# KiCad board motordecoder2-K3057.kicad_pcb (continued)
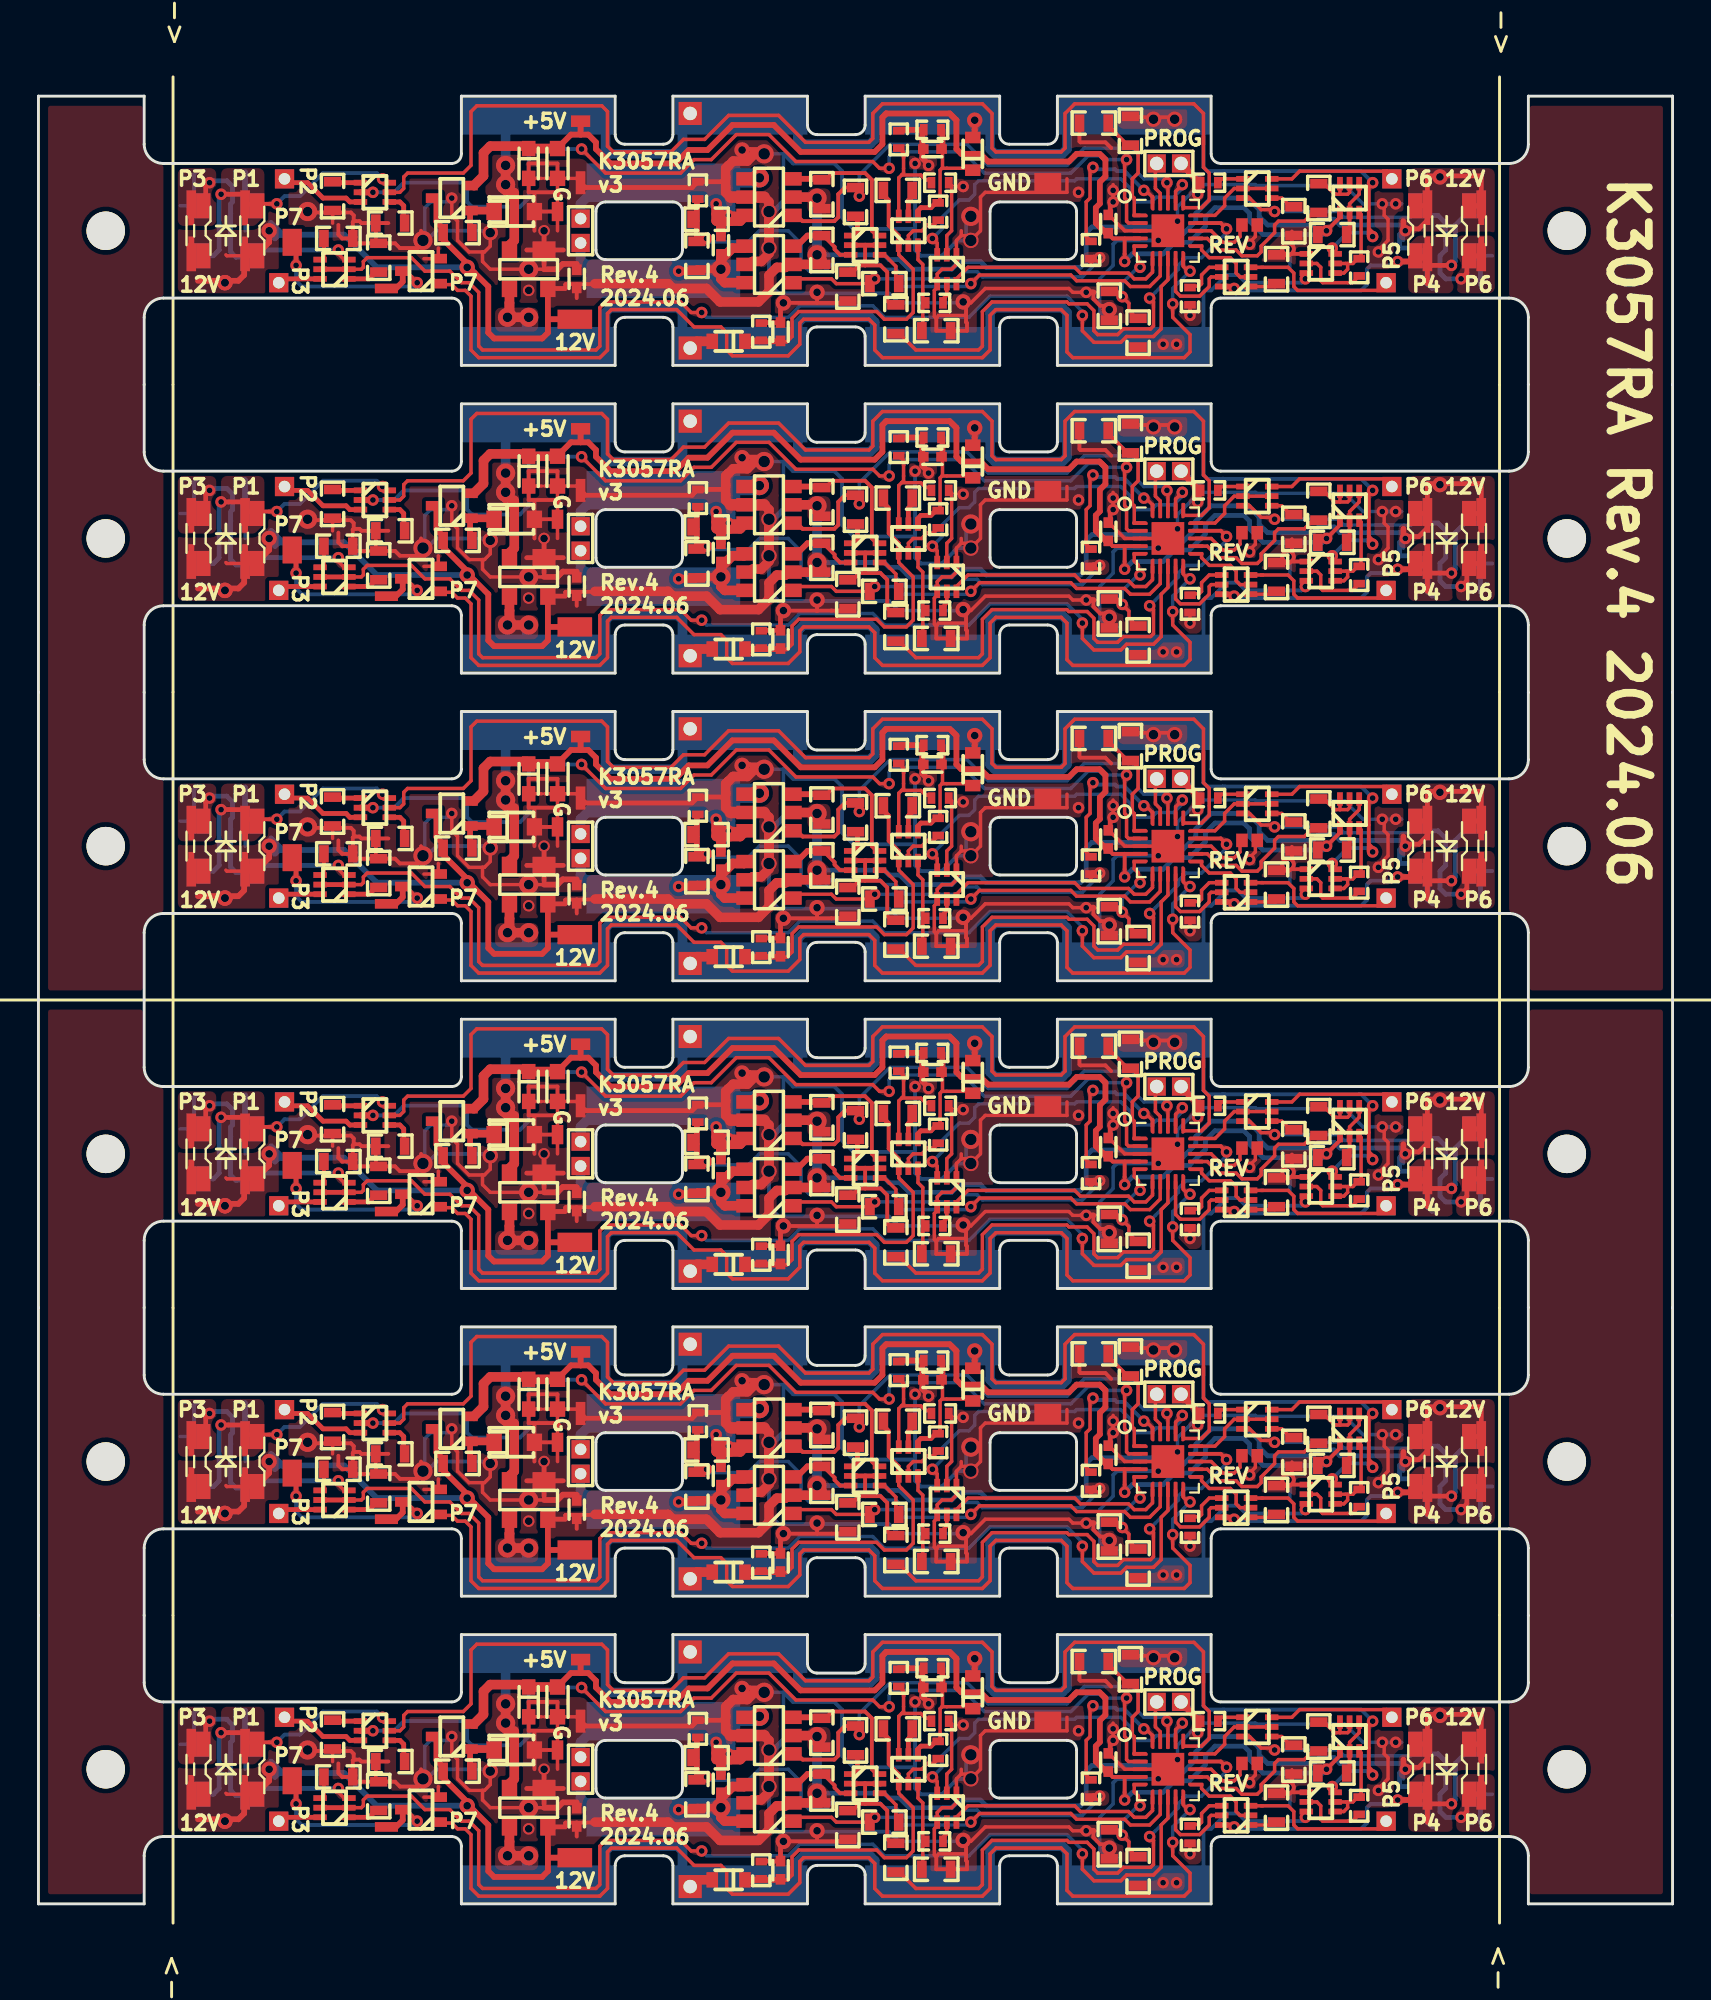
[diagram p0: board, top side]
## Routing (per net, layer and track width the routed paths; a pad name or vN(x,y) marks a point on that pad's centre or on a via; arc(x,y) is an arc through that point) (continued)
Net-(Q13A-S): length 10.2
  Top w0.18: 17.55,52.85 R90.1 ; 17.55,84.85 R24.1 ; 17.55,36.85 R124.1 ; 17.55,4.85 R192.1 ; 17.55,20.85 R158.1 ; 17.55,68.85 R56.1
  Top w0.25: 17.55,36.85 17.2,36.5 Q48.1 ; Q20.1 17.2,68.5 17.55,68.85 ; 17.55,52.85 17.2,52.5 Q35.1 ; 17.55,4.85 17.2,4.5 Q74.1 ; 17.55,20.85 17.2,20.5 Q61.1 ; Q13.1 17.2,84.5 17.55,84.85
Net-(Q13B-S): length 6.6
  Top w0.2: 14.85,37.5 R127.1 ; 14.85,5.5 R195.1 ; 14.85,53.5 R93.1 ; 14.85,69.5 R59.1 ; 14.85,85.5 R27.1 ; 14.85,21.5 R161.1
Net-(Q14A-S): length 8.3
  Top w0.18: Q14.1 61.55,89.7 R25.1 ; Q62.1 61.55,25.7 R159.1 ; Q23.1 61.55,73.7 R57.1 ; Q49.1 61.55,41.7 R125.1 ; Q36.1 61.55,57.7 R91.1 ; R193.1 61.55,9.7 Q75.1
Net-(Q14B-S): length 8
  Top w0.18: R28.1 65.12,88.25 64.68,88.7 Q14.4 ; R60.1 65.12,72.25 64.68,72.7 Q23.4 ; Q49.4 64.68,40.7 65.12,40.25 R128.1 ; Q36.4 64.68,56.7 65.12,56.25 R94.1 ; R162.1 65.12,24.25 64.68,24.7 Q62.4 ; R196.1 65.12,8.25 64.68,8.7 Q75.4
Net-(Q21A-B1): length 13.8
  Top w0.18: 46.75,39.47 46.57,39.3 46.25,39.3 45.95,39 45.5,39 45.25,38.75 Q51.2 ; Q64.2 45.25,22.75 45.5,23 45.95,23 46.25,23.3 46.57,23.3 46.75,23.47 ; 46.75,7.47 46.57,7.3 46.25,7.3 45.95,7 45.5,7 45.25,6.75 Q77.2 ; 46.75,87.47 46.57,87.3 46.25,87.3 45.95,87 45.5,87 45.25,86.75 Q21.2 ; 46.75,55.47 46.57,55.3 46.25,55.3 45.95,55 45.5,55 45.25,54.75 Q38.2 ; 46.75,71.47 46.57,71.3 46.25,71.3 45.95,71 45.5,71 45.25,70.75 Q25.2
Net-(Q21A-C1): length 34.2
  Top w0.18: 44.9,73.9 45,74 45,74.8 ; 44.9,73.9 45.9,73.9 46.15,73.65 46.3,73.65 R64.2 ; 44.9,73.9 44.75,73.75 Q25.6 ; 45,26.8 45,27 ; 45,26.8 45,26 44.9,25.9 ; 45,26.8 45,27.05 R165.1 ; 44.78,11.22 44.75,11.22 ; 45,58.8 45,59.05 R97.1 ; 45,58.8 45,58 44.9,57.9 ; 45,58.8 45,59 ; 44.78,91.22 44.75,91.22 ; R98.2 46.3,57.65 46.15,57.65 45.9,57.9 44.9,57.9 ; Q51.6 44.75,41.75 44.9,41.9 ; 45,10.8 45,10 44.9,9.9 ; 45,10.8 45,11.05 R199.1 ; 45,10.8 45,11 ; 44.9,89.9 45,90 45,90.8 ; 44.9,89.9 45.9,89.9 46.15,89.65 46.3,89.65 R34.2 ; 44.9,89.9 44.75,89.75 Q21.6 ; 44.9,25.9 45.9,25.9 46.15,25.65 46.3,25.65 R166.2 ; 44.9,25.9 44.75,25.75 Q64.6 ; 45,42.8 45,43.05 R131.1 ; 45,42.8 45,43 ; 45,42.8 45,42 44.9,41.9 ; 45,90.8 45,91 ; 45,90.8 45,91.05 R33.1 ; 44.78,43.22 44.75,43.22 ; Q77.6 44.75,9.75 44.9,9.9 ; 44.78,27.22 44.75,27.22 ; 44.9,9.9 45.9,9.9 46.15,9.65 46.3,9.65 R200.2 ; 44.78,75.22 44.75,75.22 ; 44.9,41.9 45.9,41.9 46.15,41.65 46.3,41.65 R132.2 ; 45,74.8 45,75.05 R63.1 ; 45,74.8 45,75 ; Q38.6 44.75,57.75 44.9,57.9 ; 44.78,59.22 44.75,59.22
Net-(Q21B-B2): length 8.6
  Top w0.18: R99.1 45.45,56.78 ; R35.1 45.45,88.78 ; R167.1 45.45,24.78 ; R133.1 45.45,40.78 ; R65.1 45.45,72.78 ; R201.1 45.45,8.78
  Top w0.25: Q21.5 45.25,88.58 45.45,88.78 ; 45.45,72.78 45.25,72.58 Q25.5 ; Q64.5 45.25,24.58 45.45,24.78 ; 45.45,40.78 45.25,40.58 Q51.5 ; Q77.5 45.25,8.58 45.45,8.78 ; Q38.5 45.25,56.58 45.45,56.78
Net-(Q21B-C2): length 26.3
  Top w0.18: 45.75,38.5 45.75,37.5 46,37.25 46,34.22 ; 46,66.22 46,69.25 45.75,69.5 45.75,70.5 ; 45.75,22.5 45.75,21.5 46,21.25 46,18.22 ; 46,2.22 46,5.25 45.75,5.5 45.75,6.5 ; 46,82.22 46,85.25 45.75,85.5 45.75,86.5 ; 46,50.22 46,53.25 45.75,53.5 45.75,54.5
Net-(Q22A-G): length 23.5
  Top w0.18: R64.1 47.5,73.35 47.5,71 47.25,70.75 Q26.2 ; R34.1 47.5,89.35 47.5,87 47.25,86.75 Q22.2 ; Q78.2 47.25,6.75 47.5,7 47.5,9.35 R200.1 ; Q52.2 47.25,38.75 47.5,39 47.5,41.35 R132.1 ; Q65.2 47.25,22.75 47.5,23 47.5,25.35 R166.1 ; Q39.2 47.25,54.75 47.5,55 47.5,57.35 R98.1
Net-(Q22B-G): length 6.5
  Top w0.2: Q22.5 47.25,83.65 47.05,83.45 R38.1 ; R68.1 47.05,67.45 47.25,67.65 Q26.5 ; Q78.5 47.25,3.65 47.05,3.45 R204.1 ; Q52.5 47.25,35.65 47.05,35.45 R136.1 ; Q65.5 47.25,19.65 47.05,19.45 R170.1 ; Q39.5 47.25,51.65 47.05,51.45 R102.1
Net-(R10-Pad1): length 165.8
  Top w0.2: 34.35,38.6 34.25,38.5 34.25,39.22 ; 34.35,54.6 34.25,54.5 34.25,55.22 ; 34.35,86.6 34.25,86.5 34.25,87.22 ; 34.35,22.6 34.25,22.5 34.25,23.22 ; 34.25,7.22 34.25,6.5 34.35,6.6 ; 34.25,71.22 34.25,70.5 34.35,70.6
  Top w0.25: 34.25,54.75 34.4,54.6 v1(34.75,54.6) ; 34.25,38.75 34.4,38.6 v1(34.75,38.6) ; 34.25,22.75 34.4,22.6 v1(34.75,22.6) ; 34.25,86.75 34.4,86.6 v1(34.75,86.6) ; v1(34.75,6.6) 34.4,6.6 34.25,6.75 ; v1(34.75,70.6) 34.4,70.6 34.25,70.75
  Top w0.3: 34.25,70.42 34.25,71.47 ; v1(55.2,21.6) 54.88,21.6 54.75,21.47 ; 54.75,5.47 54.88,5.6 v1(55.2,5.6) ; 34.25,54.42 34.25,55.47 ; 34.25,38.42 34.25,39.47 ; 54.75,69.47 54.88,69.6 v1(55.2,69.6) ; 34.25,86.42 34.25,87.47 ; 54.75,37.47 54.88,37.6 v1(55.2,37.6) ; 34.25,24.47 34.25,23.53 ; 34.25,22.42 34.25,23.47 ; 34.25,40.47 34.25,39.53 ; 54.75,53.47 54.88,53.6 v1(55.2,53.6) ; 34.25,56.47 34.25,55.53 ; 34.25,8.47 34.25,7.53 ; v1(55.2,85.6) 54.88,85.6 54.75,85.47 ; 34.25,72.47 34.25,71.53 ; 34.25,88.47 34.25,87.53 ; 34.25,6.42 34.25,7.47
  Top w0.4: 54.78,69.5 54.75,69.47 ; 54.78,21.5 54.75,21.47 ; 54.78,37.5 54.75,37.47 ; 54.78,53.5 54.75,53.47 ; 54.78,85.5 54.75,85.47 ; 54.78,5.5 54.75,5.47
  Bottom w0.18: v1(34.75,86.6) 34.92,86.42 ; 34.92,86.42 36.92,86.42 37.5,87 39,87 39.67,86.33 39.67,85.33 40.1,84.9 40.9,84.9 41.25,85.25 43.75,85.25 44,85 44.6,85 45.1,84.5 47.75,84.5 48.12,84.88 48.82,84.88 49.1,84.6 54.3,84.6 55.2,85.5 v1(55.2,85.6) ; 34.92,86.42 34.67,86.42 ; v1(55.2,53.6) 55.2,53.5 54.3,52.6 49.1,52.6 48.82,52.88 48.12,52.88 47.75,52.5 45.1,52.5 44.6,53 44,53 43.75,53.25 41.25,53.25 40.9,52.9 40.1,52.9 39.67,53.33 39.67,54.33 39,55 37.5,55 36.92,54.42 34.92,54.42 ; 34.92,6.42 34.67,6.42 ; 34.92,6.42 36.92,6.42 37.5,7 39,7 39.67,6.33 39.67,5.33 40.1,4.9 40.9,4.9 41.25,5.25 43.75,5.25 44,5 44.6,5 45.1,4.5 47.75,4.5 48.12,4.88 48.82,4.88 49.1,4.6 54.3,4.6 55.2,5.5 v1(55.2,5.6) ; 34.92,6.42 v1(34.75,6.6) ; v1(55.2,21.6) 55.2,21.5 54.3,20.6 49.1,20.6 48.82,20.88 48.12,20.88 47.75,20.5 45.1,20.5 44.6,21 44,21 43.75,21.25 41.25,21.25 40.9,20.9 40.1,20.9 39.67,21.33 39.67,22.33 39,23 37.5,23 36.92,22.42 34.92,22.42 ; 34.92,22.42 34.67,22.42 ; 34.92,22.42 v1(34.75,22.6) ; v1(34.75,70.6) 34.92,70.42 ; 34.92,70.42 36.92,70.42 37.5,71 39,71 39.67,70.33 39.67,69.33 40.1,68.9 40.9,68.9 41.25,69.25 43.75,69.25 44,69 44.6,69 45.1,68.5 47.75,68.5 48.12,68.88 48.82,68.88 49.1,68.6 54.3,68.6 55.2,69.5 v1(55.2,69.6) ; 34.92,70.42 34.67,70.42 ; v1(34.75,54.6) 34.92,54.42 ; 34.92,54.42 34.67,54.42 ; 34.92,38.42 36.92,38.42 37.5,39 39,39 39.67,38.33 39.67,37.33 40.1,36.9 40.9,36.9 41.25,37.25 43.75,37.25 44,37 44.6,37 45.1,36.5 47.75,36.5 48.12,36.88 48.82,36.88 49.1,36.6 54.3,36.6 55.2,37.5 v1(55.2,37.6) ; 34.92,38.42 34.67,38.42 ; 34.92,38.42 v1(34.75,38.6)
Net-(U2-PA2): length 38
  Top w0.18: 56.5,59.47 56.68,59.3 57,59.3 57.2,59.1 57.2,58 56.9,57.7 56.9,56.8 57,56.7 57,55.8 U4.1 ; 56.5,75.47 56.68,75.3 57,75.3 57.2,75.1 57.2,74 56.9,73.7 56.9,72.8 57,72.7 57,71.8 U3.1 ; 56.5,27.47 56.68,27.3 57,27.3 57.2,27.1 57.2,26 56.9,25.7 56.9,24.8 57,24.7 57,23.8 U6.1 ; 56.5,43.47 56.68,43.3 57,43.3 57.2,43.1 57.2,42 56.9,41.7 56.9,40.8 57,40.7 57,39.8 U5.1 ; U7.1 57,7.8 57,8.7 56.9,8.8 56.9,9.7 57.2,10 57.2,11.1 57,11.3 56.68,11.3 56.5,11.47 ; U2.1 57,87.8 57,88.7 56.9,88.8 56.9,89.7 57.2,90 57.2,91.1 57,91.3 56.68,91.3 56.5,91.47
  Top w0.2: R137.2 56.65,27.45 55.65,28.45 R153.1 ; R119.1 55.65,44.45 56.65,43.45 R103.2 ; R1.2 56.65,91.45 55.65,92.45 R17.1 ; R51.1 55.65,76.45 56.65,75.45 R19.2 ; R69.2 56.65,59.45 55.65,60.45 R85.1 ; R187.1 55.65,12.45 56.65,11.45 R171.2
Net-(U2-PA4): length 33.8
  Top w0.18: 57.2,2.55 57.03,2.55 56.72,2.85 56.72,3.22 v1(56.37,3.57) ; v1(57.3,37.1) 57.3,37.2 57.2,37.3 57.2,37.62 57,37.82 57,38.2 ; 57,6.2 57,5.82 57.2,5.62 57.2,5.3 57.3,5.2 v1(57.3,5.1) ; 57.2,5.4 57.4,5.2 ; v1(56.37,67.57) 56.72,67.22 56.72,66.85 57.03,66.55 57.2,66.55 ; v1(57.3,21.1) 57.3,21.2 57.2,21.3 57.2,21.62 57,21.82 57,22.2 ; 57.2,18.55 57.03,18.55 56.72,18.85 56.72,19.22 v1(56.37,19.57) ; 57.2,85.4 57.4,85.2 ; 57,54.2 57,53.82 57.2,53.62 57.2,53.3 57.3,53.2 v1(57.3,53.1) ; v1(56.37,51.57) 56.72,51.22 56.72,50.85 57.03,50.55 57.2,50.55 ; v1(56.37,83.57) 56.72,83.22 56.72,82.85 57.03,82.55 57.2,82.55 ; 57,86.2 57,85.82 57.2,85.62 57.2,85.3 57.3,85.2 v1(57.3,85.1) ; 57.2,53.4 57.4,53.2 ; 57.2,34.55 57.03,34.55 56.72,34.85 56.72,35.22 v1(56.37,35.57) ; v1(57.3,69.1) 57.3,69.2 57.2,69.3 57.2,69.62 57,69.82 57,70.2 ; 57.2,21.4 57.4,21.2 ; 57.2,37.4 57.4,37.2 ; 57.2,69.4 57.4,69.2
  Top w0.2: v1(56.37,67.57) 56.09,67.85 R52.1 ; R86.1 56.09,51.85 v1(56.37,51.57) ; v1(56.37,3.57) 56.09,3.85 R188.1 ; R154.1 56.09,19.85 v1(56.37,19.57) ; v1(56.37,83.57) 56.09,83.85 R18.1 ; v1(56.37,35.57) 56.09,35.85 R120.1
  Bottom w0.18: 57.2,37.1 56.37,36.27 v1(56.37,35.57) ; v1(56.37,19.57) 56.37,20.27 57.2,21.1 ; v1(56.37,3.57) 56.37,4.27 57.2,5.1 ; 57.2,85.1 56.37,84.27 v1(56.37,83.57) ; v1(56.37,67.57) 56.37,68.27 57.2,69.1 ; 57.2,53.1 56.37,52.27 v1(56.37,51.57)

## Copper pours and planes (outline as drawn; the poured copper is in the pictures)
+12V on Top: 75.75,85.25 71.25,85.25 71.25,86.5 70.75,86.5 70.75,87.76 71.25,87.75 71.25,90.25 75.75,90.25
+12V on Top: 12.5,83.75 7.25,83.75 7.25,90.25 12.5,90.25
+12V on Top: 33.6,20.5 37.4,20.5 37.4,20.9 38.4,20.9 38.4,19.8 38.1,19.5 38.1,18.5 34.6,18.5 33.6,19.5 29.5,19.5 29,19 26.4,19 26.4,20.4 28.3,20.4 28.5,20.6 28.5,21.5 33.6,21.5
+12V on Top: 12.5,67.75 7.25,67.75 7.25,74.25 12.5,74.25
+12V on Top: 12.5,35.75 7.25,35.75 7.25,42.25 12.5,42.25
+12V on Top: 40,9.2 40,7.9 41.2,7.9 41.2,9.2
+12V on Top: 75.75,21.25 71.25,21.25 71.25,22.5 70.75,22.5 70.75,23.76 71.25,23.75 71.25,26.25 75.75,26.25
+12V on Top: 75.75,5.25 71.25,5.25 71.25,6.5 70.75,6.5 70.75,7.76 71.25,7.75 71.25,10.25 75.75,10.25
+12V on Top: 40,6.3 40,5 41.2,5 41.2,5.8 40.7,6.3
+12V on Top: 40,38.3 40,37 41.2,37 41.2,37.8 40.7,38.3
+12V on Top: 40,54.3 40,53 41.2,53 41.2,53.8 40.7,54.3
+12V on Top: 33.6,4.5 37.4,4.5 37.4,4.9 38.4,4.9 38.4,3.8 38.1,3.5 38.1,2.5 34.6,2.5 33.6,3.5 29.5,3.5 29,3 26.4,3 26.4,4.4 28.3,4.4 28.5,4.6 28.5,5.5 33.6,5.5
+12V on Top: 40,22.3 40,21 41.2,21 41.2,21.8 40.7,22.3
+12V on Top: 40,41.2 40,39.9 41.2,39.9 41.2,41.2
+12V on Top: 40,70.3 40,69 41.2,69 41.2,69.8 40.7,70.3
+12V on Top: 12.5,19.75 7.25,19.75 7.25,26.25 12.5,26.25
+12V on Top: 33.6,52.5 37.4,52.5 37.4,52.9 38.4,52.9 38.4,51.8 38.1,51.5 38.1,50.5 34.6,50.5 33.6,51.5 29.5,51.5 29,51 26.4,51 26.4,52.4 28.3,52.4 28.5,52.6 28.5,53.5 33.6,53.5
+12V on Top: 75.75,37.25 71.25,37.25 71.25,38.5 70.75,38.5 70.75,39.76 71.25,39.75 71.25,42.25 75.75,42.25
+12V on Top: 75.75,69.25 71.25,69.25 71.25,70.5 70.75,70.5 70.75,71.76 71.25,71.75 71.25,74.25 75.75,74.25
+12V on Top: 75.75,53.25 71.25,53.25 71.25,54.5 70.75,54.5 70.75,55.76 71.25,55.75 71.25,58.25 75.75,58.25
+12V on Top: 33.6,36.5 37.4,36.5 37.4,36.9 38.4,36.9 38.4,35.8 38.1,35.5 38.1,34.5 34.6,34.5 33.6,35.5 29.5,35.5 29,35 26.4,35 26.4,36.4 28.3,36.4 28.5,36.6 28.5,37.5 33.6,37.5
+12V on Top: 12.5,51.75 7.25,51.75 7.25,58.25 12.5,58.25
+12V on Top: 33.6,84.5 37.4,84.5 37.4,84.9 38.4,84.9 38.4,83.8 38.1,83.5 38.1,82.5 34.6,82.5 33.6,83.5 29.5,83.5 29,83 26.4,83 26.4,84.4 28.3,84.4 28.5,84.6 28.5,85.5 33.6,85.5
+12V on Top: 40,57.2 40,55.9 41.2,55.9 41.2,57.2
+12V on Top: 40,89.2 40,87.9 41.2,87.9 41.2,89.2
+12V on Top: 33.6,68.5 37.4,68.5 37.4,68.9 38.4,68.9 38.4,67.8 38.1,67.5 38.1,66.5 34.6,66.5 33.6,67.5 29.5,67.5 29,67 26.4,67 26.4,68.4 28.3,68.4 28.5,68.6 28.5,69.5 33.6,69.5
+12V on Top: 40,25.2 40,23.9 41.2,23.9 41.2,25.2
+12V on Top: 40,73.2 40,71.9 41.2,71.9 41.2,73.2
+12V on Top: 40,86.3 40,85 41.2,85 41.2,85.8 40.7,86.3
+12V on Top: 12.5,3.75 7.25,3.75 7.25,10.25 12.5,10.25
+12V on Bottom: 41.1,85.1 39.8,85.1 39.6,85.3 39.6,89.3 41.1,89.3
+12V on Bottom: 12.5,83.75 7.25,83.75 7.25,90.25 12.5,90.25
+12V on Bottom: 75.75,83.75 71.3,83.75 71.3,85.5 70.5,85.5 70.5,87.5 72.35,87.5 72.35,90.25 75.75,90.25
+12V on Bottom: 12.5,19.75 7.25,19.75 7.25,26.25 12.5,26.25
+12V on Bottom: 75.75,67.75 71.3,67.75 71.3,69.5 70.5,69.5 70.5,71.5 72.35,71.5 72.35,74.25 75.75,74.25
+12V on Bottom: 41.1,53.1 39.8,53.1 39.6,53.3 39.6,57.3 41.1,57.3
+12V on Bottom: 41.1,37.1 39.8,37.1 39.6,37.3 39.6,41.3 41.1,41.3
+12V on Bottom: 12.5,35.75 7.25,35.75 7.25,42.25 12.5,42.25
+12V on Bottom: 75.75,51.75 71.3,51.75 71.3,53.5 70.5,53.5 70.5,55.5 72.35,55.5 72.35,58.25 75.75,58.25
+12V on Bottom: 41.1,69.1 39.8,69.1 39.6,69.3 39.6,73.3 41.1,73.3
+12V on Bottom: 75.75,19.75 71.3,19.75 71.3,21.5 70.5,21.5 70.5,23.5 72.35,23.5 72.35,26.25 75.75,26.25
+12V on Bottom: 12.5,51.75 7.25,51.75 7.25,58.25 12.5,58.25
+12V on Bottom: 41.1,21.1 39.8,21.1 39.6,21.3 39.6,25.3 41.1,25.3
+12V on Bottom: 75.75,35.75 71.3,35.75 71.3,37.5 70.5,37.5 70.5,39.5 72.35,39.5 72.35,42.25 75.75,42.25
+12V on Bottom: 12.5,67.75 7.25,67.75 7.25,74.25 12.5,74.25
+12V on Bottom: 75.75,3.75 71.3,3.75 71.3,5.5 70.5,5.5 70.5,7.5 72.35,7.5 72.35,10.25 75.75,10.25
+12V on Bottom: 12.5,3.75 7.25,3.75 7.25,10.25 12.5,10.25
+12V on Bottom: 41.1,5.1 39.8,5.1 39.6,5.3 39.6,9.3 41.1,9.3
GND on Top: 57.5,90 60.75,90 60.75,90.25 71,90.25 71,88 70.75,88 70.5,87.75 70.5,83.75 60.5,83.75 60.5,82.05 53.25,82.05 53.25,82.75 49.75,82.75 49.75,81.7 43.25,81.7 43.25,82.25 33.25,82.25 33.25,82.75 26.25,82.75 26.25,83.25 22.25,83.25 22.25,83.75 13,83.75 13,90.25 22,90.25 22,88.5 25.1,88.5 25.1,89.2 25.35,89.2 25.35,90.75 29.75,90.75 29.75,91.25 33.25,91.25 33.25,91.75 49.75,91.75 49.75,91.25 53.25,91.25 53.25,92 57.5,92 ; 14 cut-outs
GND on Top: 57.5,58 60.75,58 60.75,58.25 71,58.25 71,56 70.75,56 70.5,55.75 70.5,51.75 60.5,51.75 60.5,50.05 53.25,50.05 53.25,50.75 49.75,50.75 49.75,49.7 43.25,49.7 43.25,50.25 33.25,50.25 33.25,50.75 26.25,50.75 26.25,51.25 22.25,51.25 22.25,51.75 13,51.75 13,58.25 22,58.25 22,56.5 25.1,56.5 25.1,57.2 25.35,57.2 25.35,58.75 29.75,58.75 29.75,59.25 33.25,59.25 33.25,59.75 49.75,59.75 49.75,59.25 53.25,59.25 53.25,60 57.5,60 ; 14 cut-outs
GND on Top: 57.5,26 60.75,26 60.75,26.25 71,26.25 71,24 70.75,24 70.5,23.75 70.5,19.75 60.5,19.75 60.5,18.05 53.25,18.05 53.25,18.75 49.75,18.75 49.75,17.7 43.25,17.7 43.25,18.25 33.25,18.25 33.25,18.75 26.25,18.75 26.25,19.25 22.25,19.25 22.25,19.75 13,19.75 13,26.25 22,26.25 22,24.5 25.1,24.5 25.1,25.2 25.35,25.2 25.35,26.75 29.75,26.75 29.75,27.25 33.25,27.25 33.25,27.75 49.75,27.75 49.75,27.25 53.25,27.25 53.25,28 57.5,28 ; 14 cut-outs
GND on Top: 57.5,74 60.75,74 60.75,74.25 71,74.25 71,72 70.75,72 70.5,71.75 70.5,67.75 60.5,67.75 60.5,66.05 53.25,66.05 53.25,66.75 49.75,66.75 49.75,65.7 43.25,65.7 43.25,66.25 33.25,66.25 33.25,66.75 26.25,66.75 26.25,67.25 22.25,67.25 22.25,67.75 13,67.75 13,74.25 22,74.25 22,72.5 25.1,72.5 25.1,73.2 25.35,73.2 25.35,74.75 29.75,74.75 29.75,75.25 33.25,75.25 33.25,75.75 49.75,75.75 49.75,75.25 53.25,75.25 53.25,76 57.5,76 ; 14 cut-outs
GND on Top: 57.5,42 60.75,42 60.75,42.25 71,42.25 71,40 70.75,40 70.5,39.75 70.5,35.75 60.5,35.75 60.5,34.05 53.25,34.05 53.25,34.75 49.75,34.75 49.75,33.7 43.25,33.7 43.25,34.25 33.25,34.25 33.25,34.75 26.25,34.75 26.25,35.25 22.25,35.25 22.25,35.75 13,35.75 13,42.25 22,42.25 22,40.5 25.1,40.5 25.1,41.2 25.35,41.2 25.35,42.75 29.75,42.75 29.75,43.25 33.25,43.25 33.25,43.75 49.75,43.75 49.75,43.25 53.25,43.25 53.25,44 57.5,44 ; 14 cut-outs
GND on Top: 57.5,10 60.75,10 60.75,10.25 71,10.25 71,8 70.75,8 70.5,7.75 70.5,3.75 60.5,3.75 60.5,2.05 53.25,2.05 53.25,2.75 49.75,2.75 49.75,1.7 43.25,1.7 43.25,2.25 33.25,2.25 33.25,2.75 26.25,2.75 26.25,3.25 22.25,3.25 22.25,3.75 13,3.75 13,10.25 22,10.25 22,8.5 25.1,8.5 25.1,9.2 25.35,9.2 25.35,10.75 29.75,10.75 29.75,11.25 33.25,11.25 33.25,11.75 49.75,11.75 49.75,11.25 53.25,11.25 53.25,12 57.5,12 ; 14 cut-outs
GND on Bottom: 29.75,90.75 35.5,90.75 35.75,90.5 35.75,91.75 49.75,91.75 49.75,91.25 53.25,91.25 53.25,91.5 57.2,91.5 57.2,90.25 71,90.25 71,87.75 70.25,87.75 70.25,86.6 69.5,86.6 69.5,86.3 70.25,86.3 70.25,83.75 60.75,83.75 60.75,82.25 53.25,82.25 53.25,82.75 49.75,82.75 49.75,82.25 33.25,82.25 33.25,82.75 29.75,82.75 29.75,82.25 26.25,82.25 26.25,83 26,83.25 22.25,83.25 22.25,83.75 13,83.75 13,90.25 22.25,90.25 22.25,88.25 25.5,88.25 25.5,91.75 29.75,91.75 ; 8 cut-outs
GND on Bottom: 29.75,58.75 35.5,58.75 35.75,58.5 35.75,59.75 49.75,59.75 49.75,59.25 53.25,59.25 53.25,59.5 57.2,59.5 57.2,58.25 71,58.25 71,55.75 70.25,55.75 70.25,54.6 69.5,54.6 69.5,54.3 70.25,54.3 70.25,51.75 60.75,51.75 60.75,50.25 53.25,50.25 53.25,50.75 49.75,50.75 49.75,50.25 33.25,50.25 33.25,50.75 29.75,50.75 29.75,50.25 26.25,50.25 26.25,51 26,51.25 22.25,51.25 22.25,51.75 13,51.75 13,58.25 22.25,58.25 22.25,56.25 25.5,56.25 25.5,59.75 29.75,59.75 ; 8 cut-outs
GND on Bottom: 29.75,26.75 35.5,26.75 35.75,26.5 35.75,27.75 49.75,27.75 49.75,27.25 53.25,27.25 53.25,27.5 57.2,27.5 57.2,26.25 71,26.25 71,23.75 70.25,23.75 70.25,22.6 69.5,22.6 69.5,22.3 70.25,22.3 70.25,19.75 60.75,19.75 60.75,18.25 53.25,18.25 53.25,18.75 49.75,18.75 49.75,18.25 33.25,18.25 33.25,18.75 29.75,18.75 29.75,18.25 26.25,18.25 26.25,19 26,19.25 22.25,19.25 22.25,19.75 13,19.75 13,26.25 22.25,26.25 22.25,24.25 25.5,24.25 25.5,27.75 29.75,27.75 ; 8 cut-outs
GND on Bottom: 29.75,74.75 35.5,74.75 35.75,74.5 35.75,75.75 49.75,75.75 49.75,75.25 53.25,75.25 53.25,75.5 57.2,75.5 57.2,74.25 71,74.25 71,71.75 70.25,71.75 70.25,70.6 69.5,70.6 69.5,70.3 70.25,70.3 70.25,67.75 60.75,67.75 60.75,66.25 53.25,66.25 53.25,66.75 49.75,66.75 49.75,66.25 33.25,66.25 33.25,66.75 29.75,66.75 29.75,66.25 26.25,66.25 26.25,67 26,67.25 22.25,67.25 22.25,67.75 13,67.75 13,74.25 22.25,74.25 22.25,72.25 25.5,72.25 25.5,75.75 29.75,75.75 ; 8 cut-outs
GND on Bottom: 29.75,10.75 35.5,10.75 35.75,10.5 35.75,11.75 49.75,11.75 49.75,11.25 53.25,11.25 53.25,11.5 57.2,11.5 57.2,10.25 71,10.25 71,7.75 70.25,7.75 70.25,6.6 69.5,6.6 69.5,6.3 70.25,6.3 70.25,3.75 60.75,3.75 60.75,2.25 53.25,2.25 53.25,2.75 49.75,2.75 49.75,2.25 33.25,2.25 33.25,2.75 29.75,2.75 29.75,2.25 26.25,2.25 26.25,3 26,3.25 22.25,3.25 22.25,3.75 13,3.75 13,10.25 22.25,10.25 22.25,8.25 25.5,8.25 25.5,11.75 29.75,11.75 ; 8 cut-outs
GND on Bottom: 29.75,42.75 35.5,42.75 35.75,42.5 35.75,43.75 49.75,43.75 49.75,43.25 53.25,43.25 53.25,43.5 57.2,43.5 57.2,42.25 71,42.25 71,39.75 70.25,39.75 70.25,38.6 69.5,38.6 69.5,38.3 70.25,38.3 70.25,35.75 60.75,35.75 60.75,34.25 53.25,34.25 53.25,34.75 49.75,34.75 49.75,34.25 33.25,34.25 33.25,34.75 29.75,34.75 29.75,34.25 26.25,34.25 26.25,35 26,35.25 22.25,35.25 22.25,35.75 13,35.75 13,42.25 22.25,42.25 22.25,40.25 25.5,40.25 25.5,43.75 29.75,43.75 ; 8 cut-outs
(no net) on Top, Bottom: 0.5,46.5 0.5,0.5 6.5,0.5 6.5,46.5
(no net) on Top, Bottom: 76.5,46.5 76.5,0.5 84.5,0.5 84.5,46.5
(no net) on Top, Bottom: 76.5,93.5 76.5,47.5 84.5,47.5 84.5,93.5
(no net) on Top, Bottom: 0.5,93.5 0.5,47.5 6.5,47.5 6.5,93.5
MOTOR- on Top: 36.02,53.67 36.08,53.74 36.08,53.78 36.03,53.78 35.95,53.76 35.84,53.72 35.71,53.67 35.57,53.61 35.44,53.54 35.32,53.48 35.22,53.41 35.37,52.78 36,52.96 36.01,53.11 36.02,53.28 36.02,53.46 36.01,53.64 35.99,53.81 35.97,53.95 35.92,54.05 35.86,54.11 35.78,54.1 35.67,54.02
MOTOR- on Top: 34.51,4.8 34.62,4.8 34.72,4.79 34.8,4.77 34.87,4.75 34.93,4.73 35,4.7 35.06,4.67 35.2,4.59 35.28,4.55 35.75,5 35.28,5.45 35.2,5.41 35.06,5.33 35,5.3 34.93,5.27 34.87,5.25 34.8,5.23 34.72,5.21 34.62,5.2 34.51,5.2
MOTOR- on Top: 36.02,85.67 36.08,85.74 36.08,85.78 36.03,85.78 35.95,85.76 35.84,85.72 35.71,85.67 35.57,85.61 35.44,85.54 35.32,85.48 35.22,85.41 35.37,84.78 36,84.96 36.01,85.11 36.02,85.28 36.02,85.46 36.01,85.64 35.99,85.81 35.97,85.95 35.92,86.05 35.86,86.11 35.78,86.1 35.67,86.02
MOTOR- on Top: 36.02,37.67 36.08,37.74 36.08,37.78 36.03,37.78 35.95,37.76 35.84,37.72 35.71,37.67 35.57,37.61 35.44,37.54 35.32,37.48 35.22,37.41 35.37,36.78 36,36.96 36.01,37.11 36.02,37.28 36.02,37.46 36.01,37.64 35.99,37.81 35.97,37.95 35.92,38.05 35.86,38.11 35.78,38.1 35.67,38.02
MOTOR- on Top: 34.51,20.8 34.62,20.8 34.72,20.79 34.8,20.77 34.87,20.75 34.93,20.73 35,20.7 35.06,20.67 35.2,20.59 35.28,20.55 35.75,21 35.28,21.45 35.2,21.41 35.06,21.33 35,21.3 34.93,21.27 34.87,21.25 34.8,21.23 34.72,21.21 34.62,21.2 34.51,21.2
MOTOR- on Top: 36.02,5.67 36.08,5.74 36.08,5.78 36.03,5.78 35.95,5.76 35.84,5.72 35.71,5.67 35.57,5.61 35.44,5.54 35.32,5.48 35.22,5.41 35.37,4.78 36,4.96 36.01,5.11 36.02,5.28 36.02,5.46 36.01,5.64 35.99,5.81 35.97,5.95 35.92,6.05 35.86,6.11 35.78,6.1 35.67,6.02
MOTOR- on Top: 36.02,21.67 36.08,21.74 36.08,21.78 36.03,21.78 35.95,21.76 35.84,21.72 35.71,21.67 35.57,21.61 35.44,21.54 35.32,21.48 35.22,21.41 35.37,20.78 36,20.96 36.01,21.11 36.02,21.28 36.02,21.46 36.01,21.64 35.99,21.81 35.97,21.95 35.92,22.05 35.86,22.11 35.78,22.1 35.67,22.02
MOTOR- on Top: 34.51,52.8 34.62,52.8 34.72,52.79 34.8,52.77 34.87,52.75 34.93,52.73 35,52.7 35.06,52.67 35.2,52.59 35.28,52.55 35.75,53 35.28,53.45 35.2,53.41 35.06,53.33 35,53.3 34.93,53.27 34.87,53.25 34.8,53.23 34.72,53.21 34.62,53.2 34.51,53.2
MOTOR- on Top: 34.51,68.8 34.62,68.8 34.72,68.79 34.8,68.77 34.87,68.75 34.93,68.73 35,68.7 35.06,68.67 35.2,68.59 35.28,68.55 35.75,69 35.28,69.45 35.2,69.41 35.06,69.33 35,69.3 34.93,69.27 34.87,69.25 34.8,69.23 34.72,69.21 34.62,69.2 34.51,69.2
MOTOR- on Top: 34.51,36.8 34.62,36.8 34.72,36.79 34.8,36.77 34.87,36.75 34.93,36.73 35,36.7 35.06,36.67 35.2,36.59 35.28,36.55 35.75,37 35.28,37.45 35.2,37.41 35.06,37.33 35,37.3 34.93,37.27 34.87,37.25 34.8,37.23 34.72,37.21 34.62,37.2 34.51,37.2
MOTOR- on Top: 34.51,84.8 34.62,84.8 34.72,84.79 34.8,84.77 34.87,84.75 34.93,84.73 35,84.7 35.06,84.67 35.2,84.59 35.28,84.55 35.75,85 35.28,85.45 35.2,85.41 35.06,85.33 35,85.3 34.93,85.27 34.87,85.25 34.8,85.23 34.72,85.21 34.62,85.2 34.51,85.2
MOTOR- on Top: 36.02,69.67 36.08,69.74 36.08,69.78 36.03,69.78 35.95,69.76 35.84,69.72 35.71,69.67 35.57,69.61 35.44,69.54 35.32,69.48 35.22,69.41 35.37,68.78 36,68.96 36.01,69.11 36.02,69.28 36.02,69.46 36.01,69.64 35.99,69.81 35.97,69.95 35.92,70.05 35.86,70.11 35.78,70.1 35.67,70.02
RAIL+ on Top: 59.75,92.3 56.15,92.3 56.15,93.5 59.75,93.5
RAIL+ on Top: 25,91.25 25,88.75 23.25,88.75 23.25,91.25
RAIL+ on Top: 59.75,12.3 56.15,12.3 56.15,13.5 59.75,13.5
RAIL+ on Top: 25,75.25 25,72.75 23.25,72.75 23.25,75.25
RAIL+ on Top: 25,11.25 25,8.75 23.25,8.75 23.25,11.25
RAIL+ on Top: 59.75,28.3 56.15,28.3 56.15,29.5 59.75,29.5
RAIL+ on Top: 59.75,76.3 56.15,76.3 56.15,77.5 59.75,77.5
RAIL+ on Top: 25,59.25 25,56.75 23.25,56.75 23.25,59.25
RAIL+ on Top: 25,27.25 25,24.75 23.25,24.75 23.25,27.25
RAIL+ on Top: 25,43.25 25,40.75 23.25,40.75 23.25,43.25
RAIL+ on Top: 59.75,44.3 56.15,44.3 56.15,45.5 59.75,45.5
RAIL+ on Top: 59.75,60.3 56.15,60.3 56.15,61.5 59.75,61.5
RAIL+ on Bottom: 25,92.75 25,88.75 22.75,88.75 22.75,92.75
RAIL+ on Bottom: 25,12.75 25,8.75 22.75,8.75 22.75,12.75
RAIL+ on Bottom: 25,28.75 25,24.75 22.75,24.75 22.75,28.75
RAIL+ on Bottom: 25,60.75 25,56.75 22.75,56.75 22.75,60.75
RAIL+ on Bottom: 25,44.75 25,40.75 22.75,40.75 22.75,44.75
RAIL+ on Bottom: 25,76.75 25,72.75 22.75,72.75 22.75,76.75
RAIL- on Top: 26,81.75 23.75,81.75 23.75,83 26,83
RAIL- on Top: 60.2,80.6 56.6,80.6 56.6,81.6 60.2,81.6
RAIL- on Top: 26,33.75 23.75,33.75 23.75,35 26,35
RAIL- on Top: 26,17.75 23.75,17.75 23.75,19 26,19
RAIL- on Top: 60.2,32.6 56.6,32.6 56.6,33.6 60.2,33.6
RAIL- on Top: 26,49.75 23.75,49.75 23.75,51 26,51
RAIL- on Top: 60.2,16.6 56.6,16.6 56.6,17.6 60.2,17.6
RAIL- on Top: 60.2,64.6 56.6,64.6 56.6,65.6 60.2,65.6
RAIL- on Top: 60.2,48.6 56.6,48.6 56.6,49.6 60.2,49.6
RAIL- on Top: 26,1.75 23.75,1.75 23.75,3 26,3
RAIL- on Top: 26,65.75 23.75,65.75 23.75,67 26,67
RAIL- on Top: 60.2,0.6 56.6,0.6 56.6,1.6 60.2,1.6
RAIL- on Bottom: 26,81.5 23.75,81.5 23.75,83 26,83
RAIL- on Bottom: 26,65.5 23.75,65.5 23.75,67 26,67
RAIL- on Bottom: 26,1.5 23.75,1.5 23.75,3 26,3
RAIL- on Bottom: 26,49.5 23.75,49.5 23.75,51 26,51
RAIL- on Bottom: 26,17.5 23.75,17.5 23.75,19 26,19
RAIL- on Bottom: 26,33.5 23.75,33.5 23.75,35 26,35
Net-(D11-K) on Top: 11.75,87.75 11.25,87.25 9.5,87.25 9.5,90.25 11.75,90.25
Net-(D11-K) on Top: 11.75,71.75 11.25,71.25 9.5,71.25 9.5,74.25 11.75,74.25
Net-(D11-K) on Top: 11.75,39.75 11.25,39.25 9.5,39.25 9.5,42.25 11.75,42.25
Net-(D11-K) on Top: 11.75,23.75 11.25,23.25 9.5,23.25 9.5,26.25 11.75,26.25
Net-(D11-K) on Top: 11.75,55.75 11.25,55.25 9.5,55.25 9.5,58.25 11.75,58.25
Net-(D11-K) on Top: 11.75,7.75 11.25,7.25 9.5,7.25 9.5,10.25 11.75,10.25
Net-(D12-K) on Top: 73.6,83.75 71.25,83.75 71.25,86.25 71.75,86.75 73.6,86.75
Net-(D12-K) on Top: 73.6,51.75 71.25,51.75 71.25,54.25 71.75,54.75 73.6,54.75
Net-(D12-K) on Top: 73.6,3.75 71.25,3.75 71.25,6.25 71.75,6.75 73.6,6.75
Net-(D12-K) on Top: 73.6,35.75 71.25,35.75 71.25,38.25 71.75,38.75 73.6,38.75
Net-(D12-K) on Top: 73.6,67.75 71.25,67.75 71.25,70.25 71.75,70.75 73.6,70.75
Net-(D12-K) on Top: 73.6,19.75 71.25,19.75 71.25,22.25 71.75,22.75 73.6,22.75
Net-(D15-K) on Top: 75.75,83.75 73.75,83.75 73.75,86.75 75.75,86.75
Net-(D15-K) on Top: 75.75,35.75 73.75,35.75 73.75,38.75 75.75,38.75
